# Altium PCB F1_MODULE.PcbDoc (part 1 of 2) (continued)
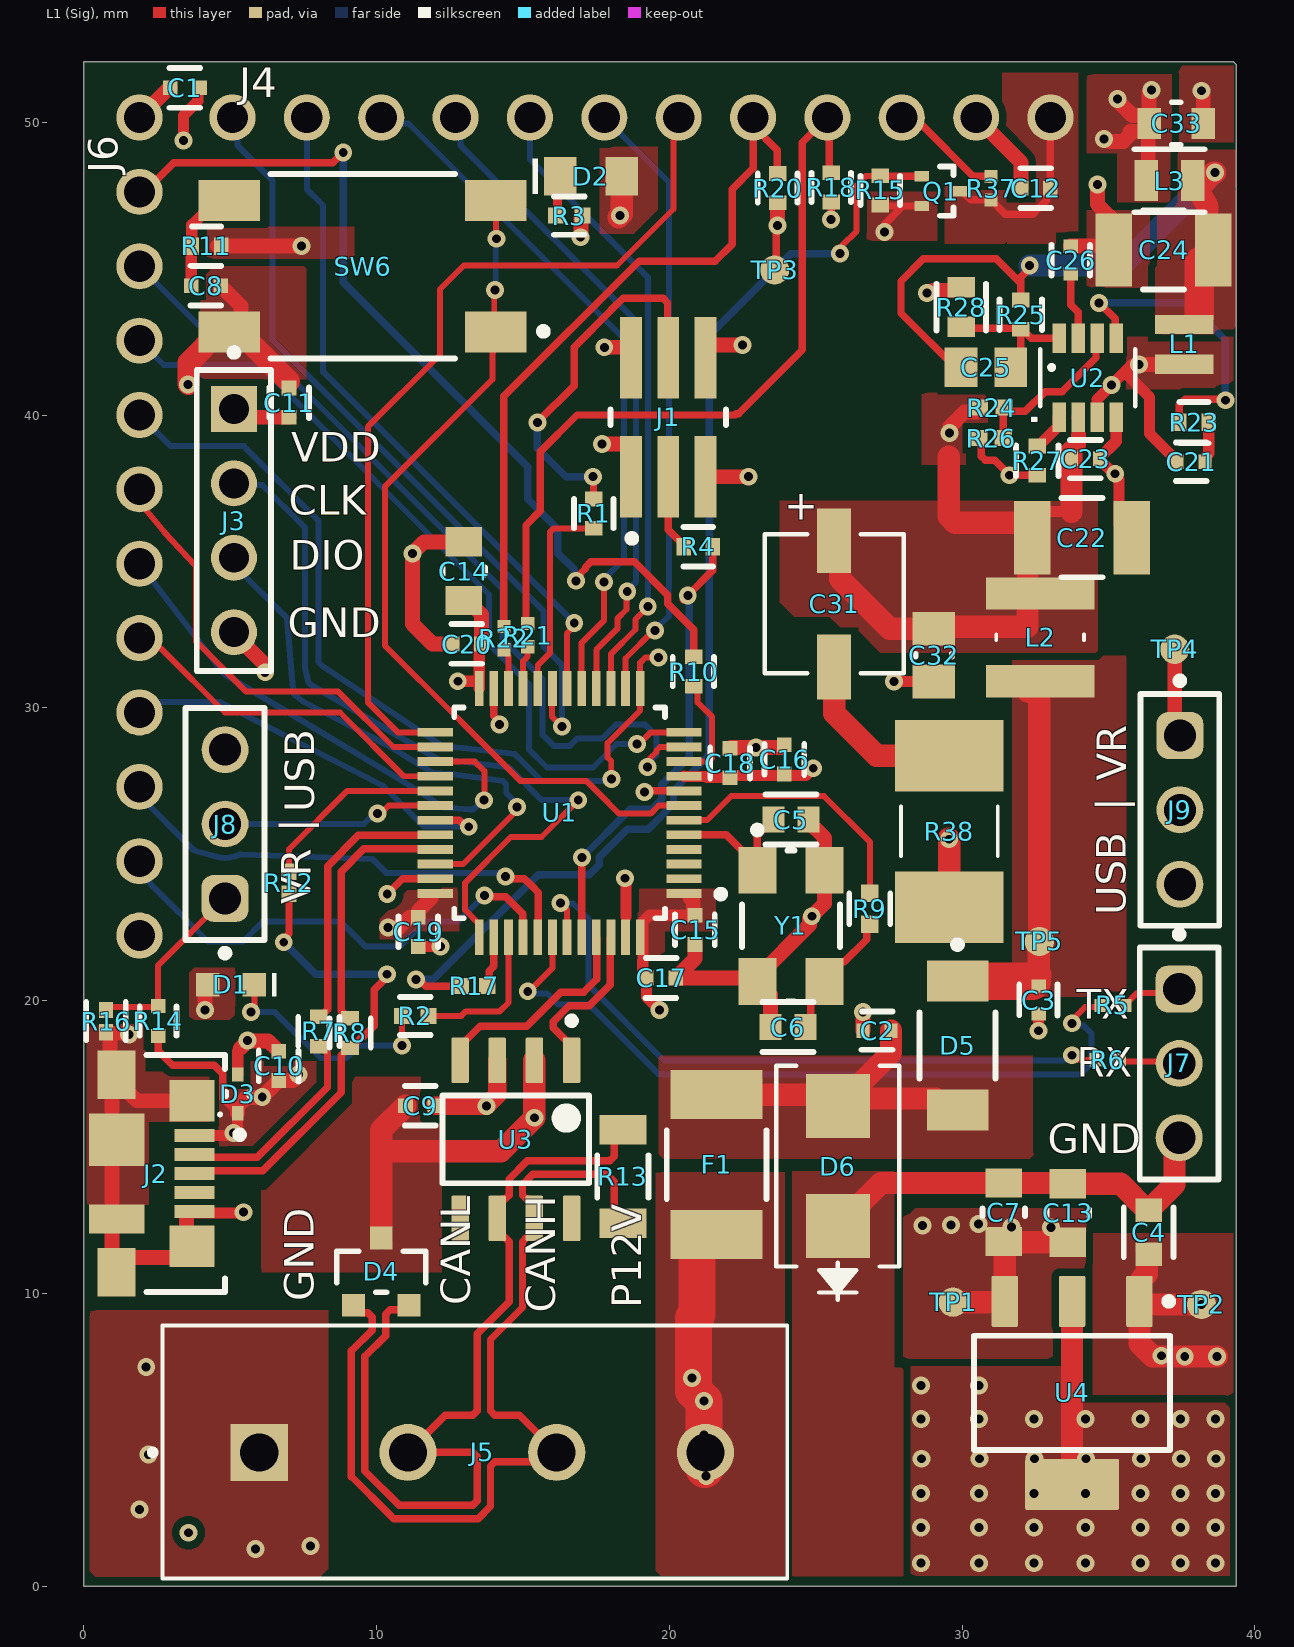
[diagram p0: L1 (Sig) view]
## Components (designator, comment, footprint, x,y, rotation, side; value= is the part's Value field where it differs from the comment) (continued)
R8 "RT0402FRE0720RL" FP-RT0402-MFG 9.093,18.898 r90 top value=20Ω
R9 "CRCW0402390RFKED" FP-CRCW0402-e3-MFG 26.848,23.139 r90 top
R10 "RT0402FRE0720RL" FP-RT0402-MFG 20.828,31.242 r270 top value=20Ω
R11 "RC0402JR-0710KL" FP-RC0402-0_4-MFG 4.191,45.771 r0 top
R12 "ERA2AEB152X" RESC1005X40X25LL10T10 7.01,24.028 r90 top
R13 "RMCF1206FTR120" FP-RMCF1206-MFG 18.415,13.995 r90 top
R14 "ERA-2AEB333X" FP-ERA2A-MFG 2.54,19.304 r90 top
R15 "RC0402JR-0710KL" FP-RC0402-0_4-MFG 27.203,47.676 r270 top
R16 "CRGCQ0402F82K" FP-CRGCQ0402-IPC_C 0.762,19.304 r270 top value=82KΩ
R17 "ERJ-2GEJ161X" RESC1005X40X25NL05T05 13.331,20.498 r180 top
R18 "RC0402JR-074K7L" FP-RC0402-0_4-MFG 25.527,47.777 r270 top
R20 "RC0402JR-074K7L" FP-RC0402-0_4-MFG 23.698,47.752 r270 top
R21 "ERJ2GE0R00X" RESC1005X40X25LL05T05 15.164,32.487 r270 top
R22 "ERJ2GE0R00X" RESC1005X40X25LL05T05 14.351,32.385 r270 top
R23 "RT0402FRE0720RL" FP-RT0402-MFG 37.922,39.751 r0 top value=20Ω
R24 "RC0402FR-07100KL" RESC1005X40X25NL05T10 31.013,40.259 r180 top value=100k
R25 "AF0402JR-0720KL" FP-AF0402-MFG 32.004,43.434 r90 top
R26 "RC0402FR-07100KL" RESC1005X40X25NL05T10 30.988,39.218 r0 top value=100k
R27 "AF0402FR-0740K2L" FP-AF0402-MFG 32.563,38.448 r90 top
R28 "MCT06030C6341FP500" FP-MCT0603-MFG 29.972,43.688 r270 top
R37 "ERJ2GE0R00X" RESC1005X40X25LL05T05 30.988,47.752 r270 top
R38 "CRM2512-JW-3R3ELF" RESC6331X80N 29.566,25.781 r270 top value=3.3Ω
SW6 "1977223-4" FP-1977223-4-MFG 9.525,45.085 r270 top
TP1 "TP_NOBOM" PAD_RND_1MM 29.693,9.703 r0 top
TP2 "TP_NOBOM" PAD_RND_1MM 38.176,9.627 r90 top
TP3 "TP_NOBOM" PAD_RND_1MM 23.597,44.958 r90 top
TP4 "TP_NOBOM" PAD_RND_1MM 37.262,32.004 r90 top
TP5 "TP_NOBOM" PAD_RND_1MM 32.639,22.022 r90 top
U1 "STM32F103CBT6TR" FP-LQFP48-5B-MFG 16.256,26.416 r180 top locked
U2 "MP2313GJ-P" TSOT23-8_MP2313_MNP 34.29,41.275 r90 top
U3 "SN65HVD232QDRQ1" "CAN IC" 14.757,15.265 r270 top
U4 "TL1963A-33DCYR" DCY0004A_N 33.757,6.604 r270 top locked
Y1 "ABM3BAIG-8.000MHZ-1Z-T" FP-ABM3BAIG-MFG 24.155,22.555 r270 top

## Footprints (in the part's own frame and the unit in brackets; to place one, negate y for a bottom-side part, rotate by r counter-clockwise, add the part's x,y. Pads: shape width x height; smd on the part's side, far side on the other; paste and mask are expansions set on the pad)
"12 POS_2.54MM_MOLEX" [mil]
  round 62 / inner round 60 / far side round 62 hole 42 paste-99999 mask+0: 1(0,0) 2(-100,0) 3(-200,0) 4(-300,0) 5(-400,0) 6(-500,0) 7(-600,0) 8(-700,0) 9(-800,0) 10(-900,0) 11(-1000,0) 12(-1100,0)
  silkscreen extent -1155,-54 55,54, body extent -1150,-49 50,49, height 386
61300311121 [mm] "Pin Header, pitch 2.54 mm, THT, Vertical, single row, 3p"
  rrect50% 1.6x1.6 hole 1.1: 1(-2.54,0)
  round 1.6 hole 1.1: 2(0,0) 3(2.54,0)
  silkscreen extent -4.53,-1.35 3.96,1.35, body extent -3.81,-1.27 3.81,1.27, height 8.57
"CAN IC" [mm]
  rrect17% 1.55x0.6 smd paste+0 mask+0: 1(-2.7,1.905) 2(-2.7,0.635) 3(-2.7,-0.635) 4(-2.7,-1.905) 5(2.7,-1.905) 6(2.7,-0.635) 7(2.7,0.635) 8(2.7,1.905)
  silkscreen extent -4.17,-2.5 1.5,2.5, body extent -3.57,-2.75 3.57,2.75, height 0.25
CAP_0805 [mil]
  rect 44x53 smd paste+0 mask+0: 1(-33.5,0) 2(33.5,0)
  silkscreen extent -92,-3 -86,3, body extent -41,-26 41,26, height 53
CAP_EEE_B_PAN [mil]
  rect 87x46 smd paste+0 mask+0: 1(-85,0) 2(85,0)
  silkscreen extent -94,-94 94,94, body extent -109,-89 109,89, height 219
CAPC0805(2012)110_N [mm] "Chip Capacitor, Body 2.0x1.2mm, Height 1.1mm, IPC Medium Density"
  rect 1.15x1.45 smd: 1(-0.9,0) 2(0.9,0)
  silkscreen extent -0.05,-0.62 0.05,0.63, body extent -1.1,-0.72 1.1,0.73, height 1.1
DCY0004A_N [mm] "SOT223, 4-Leads, Body 6.7x3.7mm, Pitch 2.3mm, IPC Medium Density"
  rrect11% 1.75x0.9 smd: 1(-3.125,2.3) 2(-3.125,0) 3(-3.125,-2.3)
  rrect6% 1.75x3.2 smd: 4(3.125,0)
  silkscreen extent -3.25,-3.35 1.95,3.43, body extent -3.5,-3.25 3.5,3.25, height 1.62
FP-0402-L_1_0_0_05-W_0_5-MFG [mm]
  rect 0.45x0.5 smd paste+0 mask+0: 1(-0.475,0) 2(0.475,0)
  silkscreen extent -0.53,-0.66 0.53,0.65, body extent -0.8,-0.38 0.8,0.38, height 0.25
FP-0805-L_2_0_0_2-W_1_25-MFG [mm]
  rect 1x1.25 smd paste+0 mask+0: 1(-1,0) 2(1,0)
  silkscreen extent -0.13,-0.72 0.13,0.72, body extent -1.6,-0.82 1.6,0.82, height 0.25
FP-1210-L_3_2_0_3-W_2_5_0-MFG [mm]
  rect 1.25x2.5 smd paste+0 mask+0: 1(-1.7,0) 2(1.7,0)
  silkscreen extent -0.7,-1.35 0.7,1.35, body extent -2.42,-1.45 2.42,1.45, height 0.25
FP-1977223-4-MFG [mm]
  rect 1.4x2.1 smd paste+0 mask+0: 1(2.25,4.55) 2(2.25,-4.55) 3(-2.25,4.55) 4(-2.25,-4.55)
  silkscreen extent -3.15,-3.15 3.15,6.3, body extent -3.25,-5.7 3.25,5.7, height 0.25
FP-473460001-MFG [mm]
  rect 0.45x1.38 smd paste+0 mask+0: 1(-1.3,2.31) 2(-0.65,2.31) 3(0,2.31) 4(0.65,2.31) 5(1.3,2.31)
  rect 1.425x1.55 smd paste+0 mask+0: 6(-2.488,2.225) 7(2.488,2.225)
  rect 1.65x1.3 smd paste+0 mask+0: 8(-3.375,-0.35) 11(3.375,-0.35)
  rect 1.8x1.9 smd paste+0 mask+0: 9(-1.15,-0.35)
  rect 1x1.9 smd paste+0 mask+0: 10(1.55,-0.35)
  silkscreen extent -4.05,0.67 4.05,3.98, body extent -4.3,-2.48 4.3,3.45, height 0.25
FP-ABM3BAIG-MFG [mm]
  rect 1.6x1.3 smd paste+0 mask+0: 1(-1.9,-1.15) 2(1.9,-1.15) 3(1.9,1.15) 4(-1.9,1.15)
  silkscreen extent -3.4,-1.68 2.58,1.68, body extent -2.8,-1.9 2.8,1.9, height 0.25
FP-AF0402-MFG [mm]
  rect 0.5x0.6 smd paste+0 mask+0: 1(-0.5,0) 2(0.5,0)
  silkscreen extent -0.53,-0.72 0.53,0.72, body extent -0.85,-0.4 0.85,0.4, height 0.25
FP-C15-1445-MFG [mm]
  rect 0.503x0.356 smd paste+0 mask+0: 1(-0.65,0.508) 2(-0.65,-0.508) 3(0.65,0)
  silkscreen extent -0.02,-0.84 0.43,0.84, body extent -1,-1.04 1,1.04, height 0.25
FP-C0603C-CF-MFG [mm]
  rect 0.75x0.9 smd paste+0 mask+0: 1(-0.6,0) 2(0.6,0)
  silkscreen extent -0.87,-0.85 0.88,0.85, body extent -1.2,-0.6 1.2,0.6, height 0.25
FP-C2012-125-0_2-MFG [mm]
  rect 0.8x1.05 smd paste+0 mask+0: 1(-0.925,0) 2(0.925,0)
  silkscreen extent -0.15,-0.72 0.15,0.72, body extent -1.43,-0.82 1.43,0.82, height 0.25
FP-CC0402-MFG [mm]
  rect 0.5x0.5 smd paste+0 mask+0: 1(-0.5,0) 2(0.5,0)
  silkscreen extent -0.53,-0.68 0.53,0.67, body extent -0.87,-0.48 0.87,0.48, height 0.25
FP-CC0603-DA-MFG [mm]
  rect 0.8x0.9 smd paste+0 mask+0: 1(-0.75,0) 2(0.75,0)
  silkscreen extent -0.85,-0.85 0.85,0.85, body extent -1.35,-0.75 1.35,0.75, height 0.25
FP-CRCW0402-e3-MFG [mm]
  rect 0.6x0.6 smd paste+0 mask+0: 1(-0.525,0) 2(0.525,0)
  silkscreen extent -0.53,-0.7 0.53,0.7, body extent -0.92,-0.4 0.92,0.4, height 0.25
FP-CRGCQ0402-IPC_C [mm]
  rect 0.56x0.472 smd paste+0 mask+0: 1(-0.376,0) 2(0.376,0)
  silkscreen extent -0.66,-0.67 0.66,0.67, body extent -0.76,-0.38 0.76,0.38, height 0.25
FP-DFE201210U-MFG [mm]
  rect 0.8x1.4 smd paste+0 mask+0: 1(-0.8,0) 2(0.8,0)
  silkscreen extent -1.2,-1.07 1.2,1.07, body extent -1.3,-0.8 1.3,0.8, height 0.25
FP-ERA2A-MFG [mm]
  rect 0.475x0.5 smd paste+0 mask+0: 1(-0.512,0) 2(0.512,0)
  silkscreen extent -0.5,-0.63 0.5,0.63, body extent -0.85,-0.4 0.85,0.4, height 0.25
FP-FTSH-103-01-F-DV-TR-MFG [mm]
  rect 0.74x2.79 smd paste+0 mask+0: 1(-1.27,-2.035) 2(-1.27,2.035) 3(0,-2.035) 4(0,2.035) 5(1.27,-2.035) 6(1.27,2.035)
  silkscreen extent -1.97,-4.26 1.97,0.27, body extent -2.07,-3.53 2.07,3.53, height 0.25
FP-HTSW-104-07-G-S-MFG [mm]
  rect 1.57x1.57 hole 1.02 paste-2539.97 mask+0: 1(-3.81,0)
  round 1.57 hole 1.02 paste-2539.97 mask+0: 2(-1.27,0) 3(1.27,0) 4(3.81,0)
  silkscreen extent -5.87,-1.27 5.14,1.27, body extent -5.24,-1.37 5.24,1.37, height 0.25
FP-LQFP48-5B-MFG [mm]
  rect 1.2x0.3 smd paste+0 mask+0: 1(-4.25,2.75) 2(-4.25,2.25) 3(-4.25,1.75) 4(-4.25,1.25) 5(-4.25,0.75) 6(-4.25,0.25) 7(-4.25,-0.25) 8(-4.25,-0.75) 9(-4.25,-1.25) 10(-4.25,-1.75) 11(-4.25,-2.25) 12(-4.25,-2.75) 25(4.25,-2.75) 26(4.25,-2.25) 27(4.25,-1.75) 28(4.25,-1.25) 29(4.25,-0.75) 30(4.25,-0.25) 31(4.25,0.25) 32(4.25,0.75) 33(4.25,1.25) 34(4.25,1.75) 35(4.25,2.25) 36(4.25,2.75)
  rect 0.3x1.2 smd paste+0 mask+0: 13(-2.75,-4.25) 14(-2.25,-4.25) 15(-1.75,-4.25) 16(-1.25,-4.25) 17(-0.75,-4.25) 18(-0.25,-4.25) 19(0.25,-4.25) 20(0.75,-4.25) 21(1.25,-4.25) 22(1.75,-4.25) 23(2.25,-4.25) 24(2.75,-4.25) 37(2.75,4.25) 38(2.25,4.25) 39(1.75,4.25) 40(1.25,4.25) 41(0.75,4.25) 42(0.25,4.25) 43(-0.25,4.25) 44(-0.75,4.25) 45(-1.25,4.25) 46(-1.75,4.25) 47(-2.25,4.25) 48(-2.75,4.25)
  silkscreen extent -5.63,-3.6 3.6,3.6, body extent -4.95,-4.95 4.95,4.95, height 0.25
FP-M-FLAT-MFG [mm]
  rect 1.4x2.1 smd paste+0 mask+0: 1(-2.2,0) 2(2.2,0)
  silkscreen extent -1.12,-1.3 3.57,1.3, body extent -3,-1.4 3,1.4, height 0.25
FP-MCS0402-MFG [mm]
  rect 0.55x0.55 smd paste+0 mask+0: 1(-0.45,0) 2(0.45,0)
  silkscreen extent -0.53,-0.65 0.53,0.65, body extent -0.82,-0.38 0.82,0.38, height 0.25
FP-MCT0603-MFG [mm]
  rect 0.7x0.95 smd paste+0 mask+0: 1(-0.675,0) 2(0.675,0)
  silkscreen extent -0.8,-0.85 0.8,0.85, body extent -1.12,-0.58 1.12,0.58, height 0.25
FP-MINISMDC110F-24-2-MFG [mm]
  rect 1.68x3.15 smd paste+0 mask+0: 1(-2.39,0) 2(2.39,0)
  silkscreen extent -1.17,-1.71 1.17,1.71, body extent -3.33,-1.81 3.33,1.81, height 0.25
FP-RC0402-0_4-MFG [mm]
  rect 0.5x0.6 smd paste+0 mask+0: 1(-0.5,0) 2(0.5,0)
  silkscreen extent -0.5,-0.67 0.5,0.67, body extent -0.85,-0.4 0.85,0.4, height 0.25
FP-RMCF1206-MFG [mm]
  rect 1x1.6 smd paste+0 mask+0: 1(-1.6,0) 2(1.6,0)
  silkscreen extent -0.72,-0.87 0.72,0.87, body extent -2.2,-0.97 2.2,0.97, height 0.25
FP-RT0402-MFG [mm]
  rect 0.5x0.6 smd paste+0 mask+0: 1(-0.5,0) 2(0.5,0)
  silkscreen extent -0.5,-0.71 0.5,0.7, body extent -0.85,-0.4 0.85,0.4, height 0.25
FP-SM712-MFG [mm]
  rect 0.78x0.78 smd paste+0 mask+0: 1(-1.145,0.95) 2(-1.145,-0.95) 3(1.145,0)
  silkscreen extent -0.7,-1.52 0.7,1.52, body extent -1.64,-1.62 1.64,1.62, height 0.25
IND_MDMK2020T1R0MM_TAY [mil]
  rect 26x79 smd paste+0 mask+0: 1(-26.57,0) 2(26.57,0)
IND_SRN3010C-8R2M [mm]
  rect 1.1x3.7 smd: 1(-1.5,0) 2(1.5,0)
  silkscreen extent -0.1,-1.5 0.1,1.5, body extent -1.5,-1.5 1.5,1.5, height 1
ONSC-SOD-523-2-502-01_V [mm] "SOD, 2-Leads, Body 1.2x0.8mm"
  rect 0.48x0.4 smd: 1(-0.66,0) 2(0.66,0)
  silkscreen extent -0.75,-0.4 0.07,0.65, body extent -0.6,-0.4 0.6,0.4, height 0.7
PAD_RND_1MM [mm]
  round 1 smd paste-0.5 mask+0: 1(0,0)
PHOENIX_1729144 [mm]
  rect 1.95x1.95 / inner round 1.95 / far side rect 1.95x1.95 hole 1.3: 1(2.54,4.05)
  round 1.95 hole 1.3: 2(7.62,4.05) 3(12.7,4.05) 4(17.78,4.05)
  silkscreen extent -1.2,-0.25 20.57,8.38, body extent -0.57,0 20.32,8.15, height 9.97
RESC1005X40X25LL05T05 [mm] "Chip Resistor, 2-Leads, Body 1.05x0.55mm, IPC High Density"
  rect 0.45x0.45 smd: 1(-0.4,0) 2(0.4,0)
  body extent -0.53,-0.28 0.53,0.28, height 0.4
RESC1005X40X25LL10T10 [mm] "Chip Resistor, 2-Leads, Body 1.00x0.50mm, IPC High Density"
  rect 0.55x0.5 smd: 1(-0.375,0) 2(0.375,0)
  body extent -0.55,-0.3 0.55,0.3, height 0.4
RESC1005X40X25NL05T05 [mm] "Chip Resistor, 2-Leads, Body 1.00x0.50mm, IPC Medium Density"
  rect 0.55x0.55 smd: 1(-0.45,0) 2(0.45,0)
  body extent -0.53,-0.27 0.53,0.28, height 0.4
RESC1005X40X25NL05T10 [mm] "Chip Resistor, 2-Leads, Body 1.00x0.50mm, IPC Medium Density"
  rect 0.6x0.55 smd: 1(-0.425,0) 2(0.425,0)
  body extent -0.53,-0.27 0.53,0.28, height 0.4
RESC6331X80N [mm]
  rect 2.44x3.7 smd: 1(-2.59,0) 2(2.59,0)
  silkscreen extent -0.85,-1.65 0.85,1.65, body extent -3.38,-1.65 3.12,1.65, height 0.76
SMBJSeries_LTF [mil]
  rect 86x86 smd paste+0 mask+0: 1(-80.87,0) 2(80.87,0)
  silkscreen extent -180,-83 135,83, body extent -110,-77 110,77, height 98
TSOT23-8_MP2313_MNP [mil]
  rect 39.5x18 smd paste+0 mask+0: 1(-53.25,38.39) 2(-53.25,12.8) 3(-53.25,-12.8) 4(-53.25,-38.39) 5(53.25,-38.39) 6(53.25,-12.8) 7(53.25,12.8) 8(53.25,38.39)
  silkscreen extent -39,-64 39,64, body extent -59,-59 59,59, height 39
WL-SMCW_0603_150060xx75000 [mm] "SMD Mono-color Chip LED, body 1.60 x 0.80 mm"
  rect 0.8x0.8 smd: 1(-0.8,0) 2(0.8,0)
  silkscreen extent -1.55,-0.4 -1.4,0.4, body extent -0.8,-0.4 0.8,0.4, height 0.7
WL-SMCW_0805_150080xx75000 [mm] "SMD Mono-color Chip LED, body 2.0x1.25mm"
  rect 1.1x1.3 smd: 1(-1.05,0) 2(1.05,0)
  silkscreen extent -2,-0.6 -1.8,0.6, body extent -1,-0.63 1,0.62, height 0.7

## Part data
C1 C8 C9 C10 C11 C12 C15 C16 C17 C18 C19 C20: library part CMP-03422-000048-1, "CAP CER 0.1UF 16V X7R 0402", Capacitance="100 nF", Manufacturer=YAGEO, Package=CC0402, Temperature="-55°C to +125°C", Temperature Characteristic=X7R, Temperature Coefficient=30ppm/°C, Temperature Range High=+125°C, Temperature Range Low=-55°C, Tolerance=0.1, Voltage Rating="16 V", Automotive=No, Automotive Grade=NA, Category=Cap, ComponentLink2Description=Datasheet, ComponentLink2URL=http://www.yageo.com/documents/recent/UPY-GP_NP0_16V-to-50V_16.pdf, Device Class L1="Passive Components", Device Class L2=Capacitors, Device Class L3="Ceramic Capacitors", Digikey Description="CAP CER 0.1UF 16V X7R 0402", Footprint Url=http://www.yageo.com/exep/pages/download/literatures/UPY-C_GEN_24.pdf, Height=0.55mm, Ipc Land Pattern Name=CAPC10050X50, Lead Free=Yes, Manufacturer Part Number=CC0402KRX7R7BB104, Material=Ceramic, Mouser Description="0402 0.1 uF 16 V ±10 % Tolerance X7R SMT Multilayer Ceramic Capacitor", Octopart=https://octopart.com/cc0402krx7r7bb104-yageo-42244624, RoHS=TRUE
C2 C3 C23 C26: library part CMP-14477-000162-2, "0.1 µF ±10% 25V Condensatori ceramici X7R 0402 (1005 metrico)", Capacitance=100nF, Case Code (Imperial)=0402, Case Code (Metric)=1005, Dielectric=X7R, Max Operating Temperature=125°C, Min Operating Temperature=-55°C, Package Quantity=10000, Ratings=AEC-Q200, Tolerance=10%, Voltage Rating=25V, Case/Package=0402, Halogen Free="Halogen Free", Height=0.5mm, Lead Free="Lead Free", Length=0.039inch, Mount="Surface Mount", Packaging="Tape and Reel", RoHS Compliant=Yes, Termination=SMD/SMT, Thickness=0.022inch, Voltage Rating (DC)=25V, Weight=2.3E-05oz, Width=0.02inch
C4: library part CMP-03422-001236-1, "CAP CER 4.7UF 16V X5R 0603", Capacitance="4.7 uF", Manufacturer=YAGEO, Package=CC0603-DA, Temperature="-55°C to +125°C", Temperature Characteristic=X5R, Temperature Coefficient=15%, Temperature Range High=+125°C, Temperature Range Low=-55°C, Tolerance=0.1, Voltage="16 V", Automotive=No, Category=Cap, ComponentLink2Description=Datasheet, ComponentLink2URL=http://www.yageo.com/documents/recent/UPY-GPHC_X7R_6.3V-to-50V_18.pdf, Device Class L1="Passive Components", Device Class L2=Capacitors, Device Class L3="Ceramic Capacitors", Digikey Description="CAP CER 4.7UF 16V X5R 0603", Footprint Url=http://www.yageo.com/exep/pages/download/literatures/UPY-C_GEN_24.pdf, Height=0.9mm, Lead Free=Yes, Manufacturer Part Number=CC0603KRX5R7BB475, Material=Ceramic, Mouser Description="Multilayer Ceramic Capacitors MLCC - SMD/SMT 4.7uF 16V X5R 10%", Octopart=https://octopart.com/cc0603krx5r7bb475-yageo-34978295, RoHS=TRUE, Voltage Rating="16 V"
C5 C6: library part CMP-03020-002234-1, "C0603 30 pF X8R 30ppm/°C 1.00% 25 V", Capacitance="30 pF", Manufacturer=KEMET, Package=C0603C-CF, Temperature="-55°C to +125°C", Temperature Characteristic=X8R, Temperature Coefficient=30ppm/°C, Temperature Range High=+125°C, Temperature Range Low=-55°C, Tolerance=0.01, Voltage Rating="25 V", Automotive=Yes, Automotive Grade="Grade 1", Category=Cap, ComponentLink2Description=Datasheet, ComponentLink2URL=https://api.kemet.com/component-edge/download/datasheet/C0603C100J5GACAUTO.pdf, Device Class L1="Passive Components", Device Class L2=Capacitors, Device Class L3="Ceramic Capacitors", Height=0.87mm, Lead Free=Yes, Manufacturer Part Number=C0603C300F3HACAUTO, Material=Ceramic, Octopart=https://octopart.com/c0603c300f3hacauto-kemet-88087312, RoHS=TRUE
C7 C13 C14: library part CMP-14477-000192-1, "CAP CER 10UF 16V X7R 0805", Capacitance=10uF, Case/Package=0805, Max Operating Temperature=125°C, Min Operating Temperature=-55°C, Tolerance=10%, Voltage Rating=16V, Length=0.079inch, Mount="Surface Mount", Packaging="Tape and Reel", RoHS Compliant=Yes, Thickness=0.053inch, Width=0.049inch
C21: library part CMP-14477-000162-2, "None", Capacitance=100nF, Case Code (Imperial)=0402, Case Code (Metric)=1005, Dielectric=X7R, Max Operating Temperature=125°C, Min Operating Temperature=-55°C, Package Quantity=10000, Ratings=AEC-Q200, Tolerance=10%, Voltage Rating=25V, Case/Package=0402, Halogen Free="Halogen Free", Height=0.5mm, Lead Free="Lead Free", Length=0.039inch, Mount="Surface Mount", Packaging="Tape and Reel", RoHS Compliant=Yes, Termination=SMD/SMT, Thickness=0.022inch, Voltage Rating (DC)=25V, Weight=2.3E-05oz, Width=0.02inch
C22 C24: library part CMP-14477-002449-2, "CAP CER 22UF 25V X7R 1210", Capacitance=22uF, Case/Package=1210, Max Operating Temperature=125°C, Min Operating Temperature=-55°C, Ratings=AEC-Q200, Tolerance=10%, Voltage Rating=25V, Length=0.126inch, Mount="Surface Mount", Packaging="Tape and Reel", RoHS Compliant=Yes, Thickness=0.106inch, Width=0.098inch
C25: "Cap Ceramic 22pF 16V C0G 10% 0805 T/R", Case/Package=0805, Manufacturer="KYOCERA AVX", Supplier Part Number=581-0805YA220K4T2A, Voltage Rating (DC)=16V, Category="Ceramic Capacitors", ComponentLink1Description=https://datasheet.octopart.com/0805YA220K4T2A-KYOCERA-AVX-datasheet-13516023.pdf, ComponentLink1URL=https://datasheet.octopart.com/0805YA220K4T2A-KYOCERA-AVX-datasheet-13516023.pdf, ComponentLink2Description=http://sigma.octopart.com:80/reach_statement/AVX-company-19.pdf?src-supplier=Compliance+Statements, ComponentLink2URL=http://sigma.octopart.com:80/reach_statement/AVX-company-19.pdf?src-supplier=Compliance+Statements, ComponentLink3Description=http://sigma.octopart.com:80/conflict_mineral_statement/AVX-company-34.pdf?src-supplier=Compliance+Statements, ComponentLink3URL=http://sigma.octopart.com:80/conflict_mineral_statement/AVX-company-34.pdf?src-supplier=Compliance+Statements, Manufacturer Part Number=0805YA220K4T2A, Pricing="1=0.21, 10=0.121, 50=0.121, 100=0.073, 1000=0.05, 10000=0.037 (USD)", RoHS=Compliant, Stock=7924, Supplier=Mouser
C31: "Radial Can - SMD ALUMINUM ELECTROLYTIC CAPACITOR S 50V 2.2muF ±20% 0.157Dia 4.00mm", Case/Package=Radial, Dielectric Material=Aluminium, Leakage Current=3µA, Manufacturer=Panasonic, Max Operating Temperature=85°C, Min Operating Temperature=-40°C, Ripple Current=16mA, Supplier Part Number=9697071, Tolerance=20%, Voltage=50V, Category="Aluminum Electrolytic Capacitors", China RoHS=Compliant, ComponentLink1Description=https://datasheet.octopart.com:443/EEE-1HA2R2SR-Panasonic-datasheet-13265900.pdf?src-supplier=RS+(Formerly+Allied+Electronics), ComponentLink1URL=https://datasheet.octopart.com:443/EEE-1HA2R2SR-Panasonic-datasheet-13265900.pdf?src-supplier=RS+(Formerly+Allied+Electronics), ComponentLink2Description=https://datasheet.octopart.com:443/EEE-1HA2R2SR-Panasonic-datasheet-41169183.pdf?src-supplier=Newark, ComponentLink2URL=https://datasheet.octopart.com:443/EEE-1HA2R2SR-Panasonic-datasheet-41169183.pdf?src-supplier=Newark, ComponentLink3Description=https://datasheet.octopart.com:443/EEE-1HA2R2SR-Panasonic-datasheet-1290.pdf?src-supplier=Newark, ComponentLink3URL=https://datasheet.octopart.com:443/EEE-1HA2R2SR-Panasonic-datasheet-1290.pdf?src-supplier=Newark, ComponentLink4Description=https://datasheet.octopart.com:443/EEE1HA2R2SR-Panasonic-datasheet-136608603.pdf?src-supplier=Newark, ComponentLink4URL=https://datasheet.octopart.com:443/EEE1HA2R2SR-Panasonic-datasheet-136608603.pdf?src-supplier=Newark, ComponentLink5Description=https://datasheet.octopart.com:443/EEE-1HA2R2SR-Panasonic-datasheet-62330071.pdf?src-supplier=Panasonic+SCT, ComponentLink5URL=https://datasheet.octopart.com:443/EEE-1HA2R2SR-Panasonic-datasheet-62330071.pdf?src-supplier=Panasonic+SCT, ComponentLink6Description=https://sigma.octopart.com:443/150570760/technical_drawing/Panasonic-EEE1HA2R2SR.pdf?src-supplier=Panasonic+SCT, ComponentLink6URL=https://sigma.octopart.com:443/150570760/technical_drawing/Panasonic-EEE1HA2R2SR.pdf?src-supplier=Panasonic+SCT, ComponentLink7Description=https://datasheet.octopart.com:443/EEE-1HA2R2SR-Panasonic-datasheet-34230028.pdf?src-supplier=Farnell, ComponentLink7URL=https://datasheet.octopart.com:443/EEE-1HA2R2SR-Panasonic-datasheet-34230028.pdf?src-supplier=Farnell, ComponentLink8Description=https://datasheet.octopart.com:443/EEE1HA2R2SR-Panasonic-datasheet-7555708.pdf?src-supplier=Farnell, ComponentLink8URL=https://datasheet.octopart.com:443/EEE1HA2R2SR-Panasonic-datasheet-7555708.pdf?src-supplier=Farnell, ComponentLink9Description=https://datasheet.octopart.com:443/EEE1HA2R2SR-Panasonic-datasheet-5318435.pdf?src-supplier=Farnell, ComponentLink9URL=https://datasheet.octopart.com:443/EEE1HA2R2SR-Panasonic-datasheet-5318435.pdf?src-supplier=Farnell, ComponentLink10Description=https://datasheet.octopart.com:443/EEE1HA2R2SR-Panasonic-datasheet-5316599.pdf?src-supplier=Farnell, ComponentLink10URL=https://datasheet.octopart.com:443/EEE1HA2R2SR-Panasonic-datasheet-5316599.pdf?src-supplier=Farnell, ComponentLink11Description=https://datasheet.octopart.com:443/EEE1HA2R2SR-Panasonic-datasheet-5390910.pdf?src-supplier=Farnell, ComponentLink11URL=https://datasheet.octopart.com:443/EEE1HA2R2SR-Panasonic-datasheet-5390910.pdf?src-supplier=Farnell, ComponentLink12Description=https://datasheet.octopart.com:443/EEE1HA2R2SR-Panasonic-datasheet-7550061.pdf?src-supplier=Farnell, ComponentLink12URL=https://datasheet.octopart.com:443/EEE1HA2R2SR-Panasonic-datasheet-7550061.pdf?src-supplier=Farnell, ComponentLink13Description=https://datasheet.octopart.com:443/EEE1HA2R2SR-Panasonic-datasheet-8161.pdf?src-supplier=Farnell, ComponentLink13URL=https://datasheet.octopart.com:443/EEE1HA2R2SR-Panasonic-datasheet-8161.pdf?src-supplier=Farnell, ComponentLink14Description=https://datasheet.octopart.com:443/EEE1HA2R2SR-Panasonic-datasheet-1770.pdf?src-supplier=Farnell, ComponentLink14URL=https://datasheet.octopart.com:443/EEE1HA2R2SR-Panasonic-datasheet-1770.pdf?src-supplier=Farnell, ComponentLink15Description=https://datasheet.octopart.com:443/EEE1HA2R2SR-Panasonic-datasheet-2601.pdf?src-supplier=Farnell, ComponentLink15URL=https://datasheet.octopart.com:443/EEE1HA2R2SR-Panasonic-datasheet-2601.pdf?src-supplier=Farnell, ComponentLink16Description=https://datasheet.octopart.com:443/EEE1HA2R2SR-Panasonic-datasheet-122249.pdf?src-supplier=Farnell, ComponentLink16URL=https://datasheet.octopart.com:443/EEE1HA2R2SR-Panasonic-datasheet-122249.pdf?src-supplier=Farnell, ComponentLink17Description=https://datasheet.octopart.com:443/EEE1HA2R2SR-Panasonic-datasheet-4056.pdf?src-supplier=Farnell, ComponentLink17URL=https://datasheet.octopart.com:443/EEE1HA2R2SR-Panasonic-datasheet-4056.pdf?src-supplier=Farnell, ComponentLink18Description=https://datasheet.octopart.com:443/EEE-1HA2R2SR-Panasonic-datasheet-5314063.pdf?src-supplier=Future+Electronics, ComponentLink18URL=https://datasheet.octopart.com:443/EEE-1HA2R2SR-Panasonic-datasheet-5314063.pdf?src-supplier=Future+Electronics, ComponentLink19Description=https://datasheet.octopart.com:443/EEE-1HA2R2SR-Panasonic-datasheet-154766114.pdf?src-supplier=Master+Electronics, ComponentLink19URL=https://datasheet.octopart.com:443/EEE-1HA2R2SR-Panasonic-datasheet-154766114.pdf?src-supplier=Master+Electronics, ComponentLink20Description=https://datasheet.octopart.com:443/EEE-1HA2R2SR-Panasonic-datasheet-11548988.pdf?src-supplier=Arrow+Electronics, ComponentLink20URL=https://datasheet.octopart.com:443/EEE-1HA2R2SR-Panasonic-datasheet-11548988.pdf?src-supplier=Arrow+Electronics, ComponentLink21Description=https://datasheet.octopart.com:443/EEE1HA2R2SR-Panasonic-datasheet-150469818.pdf?src-supplier=TME, ComponentLink21URL=https://datasheet.octopart.com:443/EEE1HA2R2SR-Panasonic-datasheet-150469818.pdf?src-supplier=TME, ComponentLink22Description=https://datasheet.octopart.com:443/EEE1HA2R2SR-Panasonic-datasheet-147453673.pdf?src-supplier=Electro+Sonic, ComponentLink22URL=https://datasheet.octopart.com:443/EEE1HA2R2SR-Panasonic-datasheet-147453673.pdf?src-supplier=Electro+Sonic, ComponentLink23Description=https://datasheet.octopart.com:443/EEE-1HA2R2SR-Panasonic-datasheet-6019.pdf?src-supplier=DigiKey, ComponentLink23URL=https://datasheet.octopart.com:443/EEE-1HA2R2SR-Panasonic-datasheet-6019.pdf?src-supplier=DigiKey, Contact Plating=Tin, Diameter=4mm, Dissipation Factor=12%, Height=5.4mm, Height - Seated (Max)=5.4102mm, Lead Free="Lead Free", Lead Length=1.8mm, Lead Pitch=1mm, Length=4.3mm, Life (Hours)=2000hours, Lifecycle Status=NRND, Manufacturer Part Number=EEE-1HA2R2SR, Mounting Technology="Surface Mount", Number of Terminals=2, Packaging="Cut Tape", Pins=2, Polarity=Polar, Pricing="5=0.173, 50=0.117, 250=0.107, 500=0.0852, 1000=0.0776 (EUR)", Radiation Hardening=No, REACH SVHC=Yes, Ripple Current (AC)=16mA, RoHS=Compliant, Schedule B="8532220020, 8532220020|8532220020|8532220020|8532220020|8532220020|8532220020|8532220020|8532220020|8532220020|8532220020|8532220020|8532220020|8532220020|8532220020|8532220020|8532220020|8532220020|8532220020|8532220020|8532220020|8532220020|8532220020|8532220020|85", Stock=716, Supplier=Farnell, Termination=SMD/SMT, Voltage Rating=50V, Voltage Rating (AC)=50V, Voltage Rating (DC)=50V, Width=4.3mm
C32: library part CMP-1036-04624-1, "CAP 390nF 50V ±10% 0805 (2012 Metric) Thickness 1.1mm SMD", Case-EIA=0805, Case-Metric=2012, Rated Voltage="50 V", Tolerance=Â±10%, Max Thickness="1.1 mm", Technology=SMT
C33: library part CMP-08246-004727-1, "Multilayer Ceramic Capacitors 15μF ±20% 25V X5R SMD 0805", Capacitance=15uF, Case Code (Imperial)=0805, Case Code (Metric)=2012, Dielectric=X5R, Dielectric Material=Ceramic, Max Operating Temperature=85°C, Min Operating Temperature=-55°C, Package Quantity=1, Tolerance=20%, Voltage Rating=25V, Case/Package=0805, Depth=1.25mm, Height=1.25mm, Lead Free="Lead Free", Length=2mm, Mount="Surface Mount", Packaging="Tape and Reel", Resistor Type=Ceramic, RoHS Compliant=Yes, Series=C, Termination=SMD/SMT, Thickness=0.057inch, Voltage Rating (DC)=25V, Weight=0.000194oz, Width=0.049inch
D1: library part CMP-1426-00006-7, "WURTH ELEKTRONIK - 150060VS75000 - LED, Green, SMD, 0603, 30 mA, 2 V, 570 nm", Case Code (Imperial)=0603, Case Code (Metric)=1608, Color=Green, Forward Current=100mA, Forward Voltage=2V, Max Junction Temperature (Tj)=95°C, Max Operating Temperature=85°C, Max Reverse Voltage (DC)=5V, Min Operating Temperature=-40°C, Power Dissipation=72mW, Test Current=20mA, Case/Package=0603, Dominant Wavelength=570nm, Height=700µm, Length=1.6mm, Lens Style="Clear, Rectangular", Luminous Intensity=40mcd, Mount="Surface Mount", Number of Pins=2, Packaging="Tape and Reel", Peak Wavelength=572nm, REACH SVHC=Unknown, Reverse Voltage=5V, RoHS=Compliant, Viewing Angle=140°, Wavelength=570nm, Width=800µm
D2: library part CMP-1426-00011-3, "LED Uni-Color Red 630nm 2-Pin Chip 0805(2012Metric) T/R", Case Code (Imperial)=0805, Case Code (Metric)=2012, Color=Red, Forward Current=100mA, Forward Voltage=2V, Max Junction Temperature (Tj)=95°C, Max Operating Temperature=85°C, Max Reverse Voltage (DC)=5V, Min Operating Temperature=-40°C, Power Dissipation=72mW, Test Current=20mA, Case/Package=0805, Dominant Wavelength=625nm, Height=700µm, Length=2mm, Lens Style="Clear, Rectangular", Luminous Intensity=150mcd, Mount="Surface Mount", Packaging="Tape and Reel", Peak Wavelength=630nm, REACH SVHC=Unknown, RoHS=Compliant, Viewing Angle=140°, Wavelength=625nm, Width=1.25mm
D3: library part CMP-1063-00102-1, "Transient Voltage Suppressor, Micro-Packaged Diode for ESD Protection, 2-Pin SOD-523, Pb-Free, Tape and Reel", Manufacturer="On Semiconductor", ComponentLink1Description="Manufacturer URL", ComponentLink1URL=http://www.onsemi.com/, ComponentLink2Description=Datasheet, ComponentLink2URL=http://www.onsemi.cn/pub_link/Collateral/ESD5Z2.5T1-D.PDF, ComponentLink3Description="Package Specification", ComponentLink3URL=http://www.onsemi.com/pub_link/Collateral/502-01.PDF, DatasheetVersion="Rev. 10", Direction=Unidirectional, IR Max (uA)=0.05, Mounting Technology="Surface Mount", Number of Lines=1, PackageDescription="2-Pin SOD, Body 1.2 x 0.8 mm", PackageReference=SOD-523-2-502-01, PackageVersion="Rev. E, 09/2010", Packing="Tape and Reel", PartNumber=ESD5Z5.0T1G, PPK Max (W)=174, RoHS=Pb-Free, V(BR) Min (V)=6.2, VRWM Max (V)=5
D4: library part CMP-2000-07561-2, "TVS DIODE 12V 31V SOT23-3", Breakdown Voltage=13.3V, Capacitance=75pF, Case/Package=SOT-23-3, Clamping Voltage=31V, Leakage Current=20uA, Max Operating Temperature=125°C, Max Power Dissipation=600W, Max Surge Current=19A, Min Operating Temperature=-40°C, Package Quantity=3000, Power Line Protection=No, Reverse Standoff Voltage=12V, Composition=Zener, Depth=1.4mm, Direction=Bidirectional, Element Configuration=Dual, Lead Free="Lead Free", Length=3.04mm, Min Breakdown Voltage=13.3V, Mount="Surface Mount", Number of Bidirectional Channels=2, Number of Channels=2, Number of Pins=3, Packaging="Tape and Reel", Peak Pulse Current=19A, Peak Pulse Power=600W, Polarity=Bidirectional, Radiation Hardening=No, Termination=SMD/SMT, Working Voltage=12V
D5: library part CMP-2000-06115-2, "DIODE SCHOTTKY 30V 2A MFLAT", Average Rectified Current=2A, Forward Voltage=370mV, Max Operating Temperature=125°C, Max Repetitive Reverse Voltage (Vrrm)=30V, Max Reverse Leakage Current=3mA, Max Surge Current=40A, Min Operating Temperature=-40°C, Package Quantity=1, Contact Plating=Tin, Element Configuration=Single, Forward Current=2A, Max Reverse Voltage (DC)=30V, Mount="Surface Mount", Number of Pins=2, Packaging="Tape and Reel", Peak Non-Repetitive Surge Current=40A, Peak Reverse Current=3mA, Radiation Hardening=No
D6: "DO-214AA SMB SMBJ Surface Mount 1 Zener Tvs Diode 18.9V 21.7A 600W -55C~150C TJ", Breakdown Voltage=19.9V, Clamping Voltage=27.6V, Forward Voltage=1V, Manufacturer="Taiwan Semiconductor", Manufacturer Lifecycle Status=ACTIVE, Max Breakdown Voltage=20.9V, Max Forward Surge Current (Ifsm)=2.5A, Max Junction Temperature (Tj)=150°C, Max Power Dissipation=3W, Max Repetitive Reverse Voltage (Vrrm)=250V, Max Reverse Leakage Current=1µA, Max Surge Current=100A, Min Breakdown Voltage=18.9V, Min Operating Temperature=-55°C, Operating Supply Voltage=17V, Peak Pulse Current=22.8A, Peak Pulse Power=600W, Power Dissipation=200mW, Category="TVS Diodes", China RoHS=Non-Compliant, ComponentLink1Description=https://datasheet.octopart.com:443/SMBJ17CA-Taiwan-Semiconductor-datasheet-151942224.pdf?src-supplier=Newark, ComponentLink1URL=https://datasheet.octopart.com:443/SMBJ17CA-Taiwan-Semiconductor-datasheet-151942224.pdf?src-supplier=Newark, ComponentLink2Description=https://datasheet.octopart.com:443/SMBJ17CA-Taiwan-Semiconductor-datasheet-94061883.pdf?src-supplier=Newark, ComponentLink2URL=https://datasheet.octopart.com:443/SMBJ17CA-Taiwan-Semiconductor-datasheet-94061883.pdf?src-supplier=Newark, ComponentLink3Description=https://datasheet.octopart.com:443/SMBJ17CA-Taiwan-Semiconductor-datasheet-181551140.pdf?src-supplier=IHS, ComponentLink3URL=https://datasheet.octopart.com:443/SMBJ17CA-Taiwan-Semiconductor-datasheet-181551140.pdf?src-supplier=IHS, ComponentLink4Description=https://datasheet.octopart.com:443/SMBJ17CA-Taiwan-Semiconductor-datasheet-182396145.pdf?src-supplier=IHS, ComponentLink4URL=https://datasheet.octopart.com:443/SMBJ17CA-Taiwan-Semiconductor-datasheet-182396145.pdf?src-supplier=IHS, ComponentLink5Description=https://datasheet.octopart.com:443/SMBJ17CA-Taiwan-Semiconductor-datasheet-180789127.pdf?src-supplier=IHS, ComponentLink5URL=https://datasheet.octopart.com:443/SMBJ17CA-Taiwan-Semiconductor-datasheet-180789127.pdf?src-supplier=IHS, ComponentLink6Description=https://datasheet.octopart.com:443/SMBJ17CA-Taiwan-Semiconductor-datasheet-137249696.pdf?src-supplier=Taiwan+Semiconductor, ComponentLink6URL=https://datasheet.octopart.com:443/SMBJ17CA-Taiwan-Semiconductor-datasheet-137249696.pdf?src-supplier=Taiwan+Semiconductor, ComponentLink7Description=https://datasheet.octopart.com:443/SMBJ17CA-Taiwan-Semiconductor-datasheet-34355353.pdf?src-supplier=Taiwan+Semiconductor, ComponentLink7URL=https://datasheet.octopart.com:443/SMBJ17CA-Taiwan-Semiconductor-datasheet-34355353.pdf?src-supplier=Taiwan+Semiconductor, Height=2.44mm, Lead Free="Lead Free", Length=5.59mm, Lifecycle Status=Production, Manufacturer Part Number=SMBJ17CA, Max Operating Temperature=150°C, Number of Channels=1, Number of Elements=1, Number of Terminals=2, Peak Reverse Current=1µA, Pins=2, Polarity=Bidirectional, Power Rating=600W, Pricing="741=0.476, 1000=0.476, 3000=0.475 (USD)", REACH SVHC=No, Reverse Recovery Time=50ns, Reverse Standoff Voltage=17V, RoHS=Compliant, Schedule B=8541100080, Stock=5190, Supplier="Arrow Electronics", Supplier Part Number=SMBJ17CA, Voltage Rating (DC)=17V, Width=3.94mm